# KiCad board nvme Carrier for LattePanda Mu.kicad_pcb (continued)
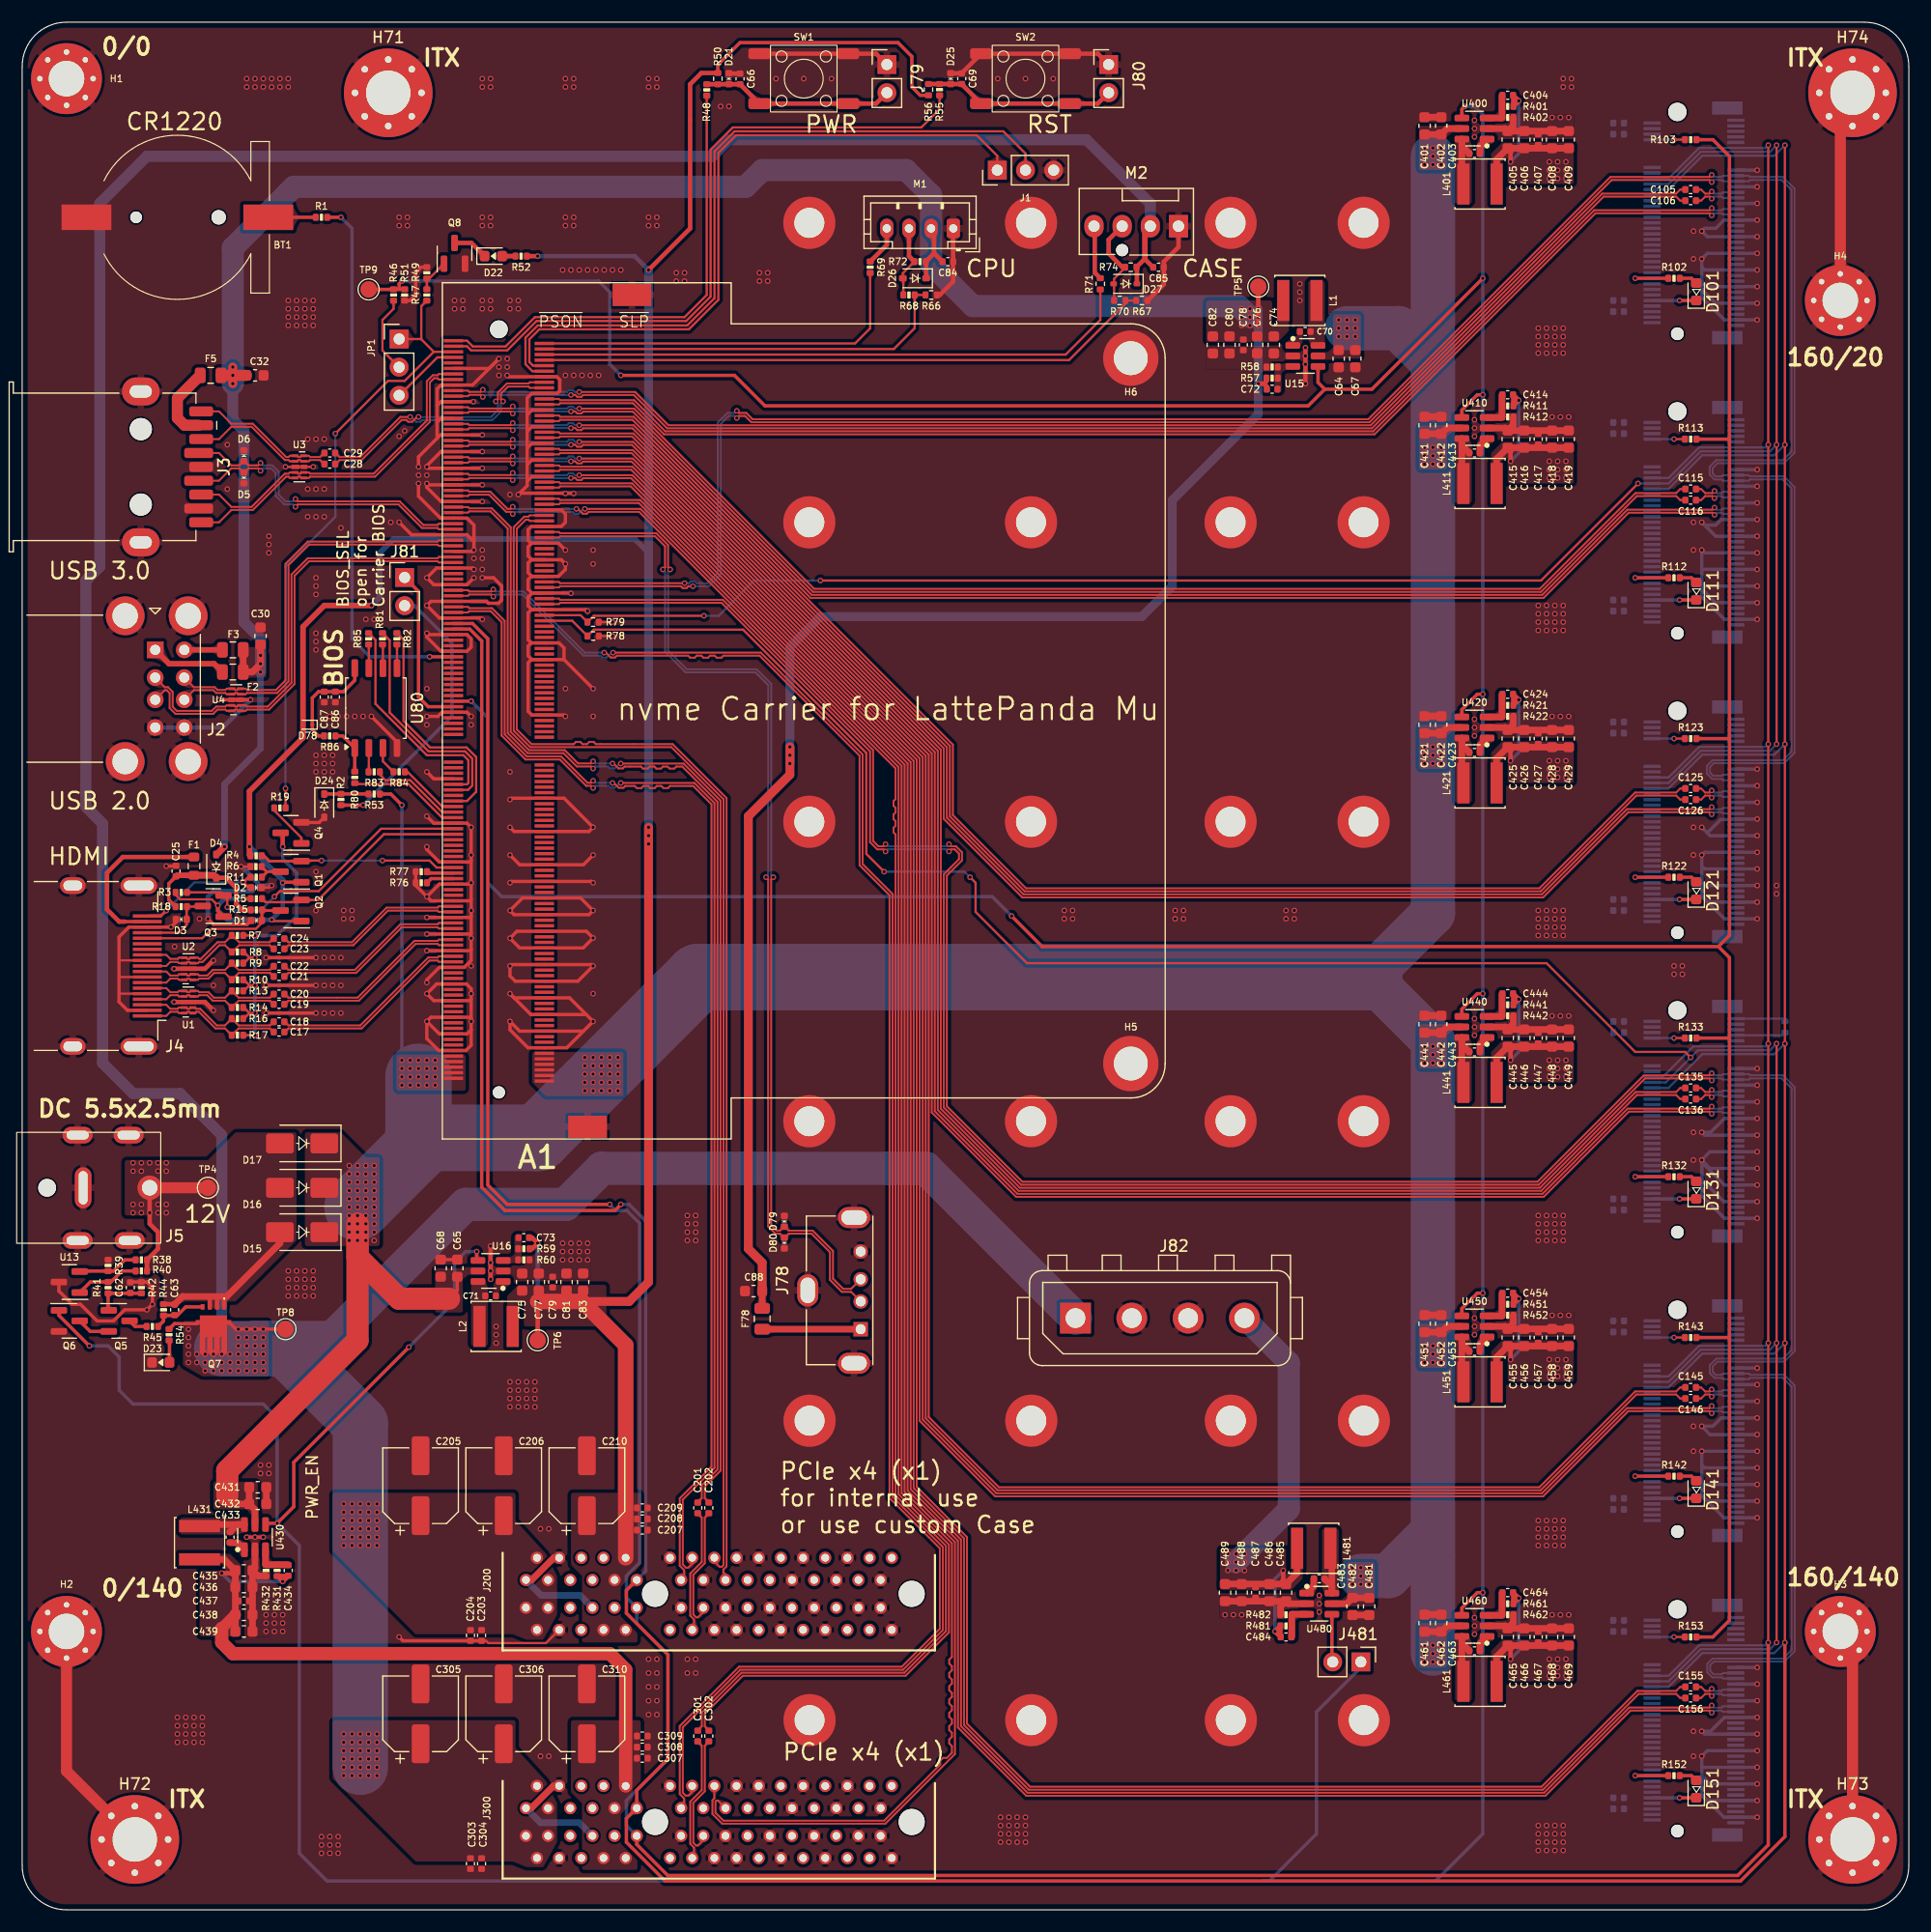
[diagram p0: board, top side]
## Routing (per net, layer and track width the routed paths; a pad name or vN(x,y) marks a point on that pad's centre or on a via; arc(x,y) is an arc through that point) (continued)
  Bottom w0.2: v1(157.5,24.1) 157.25,23.85 151.26,23.85 148.51,21.1 J150.54 ; J130.54 148,75.1 150.75,77.85 157.25,77.85 v1(157.5,78.1) ; J110.54 148.51,129.1 151.26,131.85 157.25,131.85 v1(157.5,132.1) ; v1(157.5,51.1) 157.25,50.85 151.26,50.85 148.51,48.1 J140.54 ; v1(157.5,105.1) 157.25,104.85 151.26,104.85 148.51,102.1 J120.54 ; J100.54 148.51,156.1 151.26,158.85 157.25,158.85 v1(157.5,159.1)
  Bottom w0.3: v1(53,63.6) 53.55,63.05 54.55,63.05 55.7,61.9 55.7,31.3 54.5,30.1 54.5,28.15 55.41,27.24 J200.B11 55.44,25.81 58.25,23 58.25,13.6 54.5,9.85 54.5,7.61 J300.B11
VDC: length 363.8
  Top w0.3: R53.1 33.25,100.6 v1(34.25,99.6) ; C65.2 39.25,55.85 38.5,55.1
  Top w0.6: U430.5 21,36.08 C432.2 ; C451.2 C452.2 128.52,52.6 U450.5 ; C411.2 C412.2 128.52,133.6 U410.5 ; 18.5,37.35 19.25,36.6 C432.2 ; U460.5 128.52,25.6 C462.2 C461.2 ; U420.5 128.52,106.6 C422.2 C421.2 ; C481.2 C482.2 119.47,27.6 U480.5 ; C441.2 C442.2 128.52,79.6 U440.5 ; C432.2 C431.2 ; C401.2 C402.2 128.52,160.6 U400.5
  Top w2: 38.5,55.1 34,55.1 30.25,58.85 v1(30.25,61.85) 30.25,51.35 18.5,39.6 18.5,37.35
  Bottom w0.3: v1(34.25,76.6) v1(34.25,99.6)
  Bottom w4: v1(127.25,23.1) v1(127.25,50.1) 127.25,78.35 121.5,84.1 127.25,89.85 v1(127.25,104.1) v1(127.25,131.1) v1(127.25,158.1) ; 127.25,34.1 123.25,30.1 v1(120.75,30.1) ; 127.25,139.5 124.15,142.6 v1(119.5,142.6)
  Bottom w6: 121.5,84.1 61,84.1 46.5,69.6 36.5,69.6 35.75,68.85 ; 35.75,68.85 v1(35.75,75.1) ; 35.75,68.85 v1(30.25,63.35)
  vias: v1(29.5,67.1) v1(29.5,66.35) v1(29.5,65.6) v1(29.5,64.85) v1(29.5,64.1) v1(29.5,63.35) v1(29.5,62.6) v1(29.5,61.85) v1(29.5,61.1) v1(29.5,60.35) v1(30.25,67.1) v1(30.25,66.35) v1(30.25,65.6) v1(30.25,64.85) v1(30.25,64.1) v1(30.25,62.6) v1(30.25,61.1) v1(30.25,60.35) v1(31,67.1) v1(31,66.35) v1(31,65.6) v1(31,64.85) v1(31,64.1) v1(31,63.35) v1(31,62.6) v1(31,61.85) v1(31,61.1) v1(31,60.35) v1(31.75,67.1) v1(31.75,66.35) v1(31.75,65.6) v1(31.75,64.85) v1(31.75,64.1) v1(31.75,63.35) v1(31.75,62.6) v1(31.75,61.85) v1(31.75,61.1) v1(31.75,60.35) v1(34.25,75.85) v1(34.25,75.1) v1(34.25,74.35) v1(35,76.6) v1(35,75.85) v1(35,75.1) v1(35,74.35) v1(35.75,76.6) v1(35.75,75.85) v1(35.75,74.35) v1(36.5,76.6) v1(36.5,75.85) v1(36.5,75.1) v1(36.5,74.35) v1(37.25,76.6) v1(37.25,75.85) v1(37.25,75.1) v1(37.25,74.35) v1(50.75,76.85) v1(50.75,76.1) v1(50.75,75.35) v1(50.75,74.6) v1(50.75,73.85) v1(51.5,76.85) v1(51.5,76.1) v1(51.5,75.35) v1(51.5,74.6) v1(51.5,73.85) v1(52.25,76.85) v1(52.25,76.1) v1(52.25,75.35) v1(52.25,74.6) v1(52.25,73.85) v1(53,76.85) v1(53,76.1) v1(53,75.35) v1(53,74.6) v1(53,73.85) v1(53.75,76.85) v1(53.75,76.1) v1(53.75,75.35) v1(53.75,74.6) v1(53.75,73.85) v1(118.75,143.35) v1(118.75,142.6) v1(118.75,141.85) v1(119.5,143.35) v1(119.5,141.85) v1(120,30.85) v1(120,30.1) v1(120,29.35) v1(120.25,143.35) v1(120.25,142.6) v1(120.25,141.85) v1(120.75,30.85) v1(120.75,29.35) v1(121.5,30.85) v1(121.5,30.1) v1(121.5,29.35) v1(126.5,158.85) v1(126.5,158.1) v1(126.5,157.35) v1(126.5,131.85) v1(126.5,131.1) v1(126.5,130.35) v1(126.5,104.85) v1(126.5,104.1) v1(126.5,103.35) v1(126.5,77.85) v1(126.5,77.1) v1(126.5,76.35) v1(126.5,50.85) v1(126.5,50.1) v1(126.5,49.35) v1(126.5,23.85) v1(126.5,23.1) v1(126.5,22.35) v1(127.25,158.85) v1(127.25,157.35) v1(127.25,131.85) v1(127.25,130.35) v1(127.25,104.85) v1(127.25,103.35) v1(127.25,77.85) v1(127.25,77.1) v1(127.25,76.35) v1(127.25,50.85) v1(127.25,49.35) v1(127.25,23.85) v1(127.25,22.35) v1(128,158.85) v1(128,158.1) v1(128,157.35) v1(128,131.85) v1(128,131.1) v1(128,130.35) v1(128,104.85) v1(128,104.1) v1(128,103.35) v1(128,77.85) v1(128,77.1) v1(128,76.35) v1(128,50.85) v1(128,50.1) v1(128,49.35) v1(128,23.85) v1(128,23.1) v1(128,22.35)
VPullup: length 4
  Top w0.3: R53.2 31.23,100.61 27.26,100.61 D24.1
Net-(A1-SIO_UART_RX): length 67.2
  Top w0.2: A1.12 46.02,138.73 45.4,139.35 45.4,141.74 46.51,142.85 59.99,142.85 62.45,145.31 62.45,158.55 64.25,160.35 88.5,160.35 90.5,158.35 J1.2
Net-(A1-SIO_UART_TX): length 63.2
  Top w0.2: A1.10 46.07,139.23 45.75,139.55 45.75,141.6 46.65,142.5 60.13,142.5 62.8,145.16 62.8,158.4 64.39,160 86.1,160 87.96,158.14 J1.1
Net-(A1-SPI_CLK): length 20.9
  Top w0.2: R81.1 33.15,114.46 33.15,107.95 36.65,104.45 39.94,104.45 40.6,103.79 40.6,101.36 40.21,100.98 A1.155
Net-(A1-SPI_IO2): length 5.7
  Top w0.2: A1.161 37.88,99.48 34.76,102.6 R84.1
Net-(A1-SPI_IO3): length 20.6
  Top w0.2: A1.153 40.12,101.48 40.25,101.6 40.25,103.65 39.8,104.1 36.5,104.1 31.87,108.73 31.87,114.49 R85.1
Net-(A1-SPI_MISO/SPI_IO1): length 8
  Top w0.2: A1.163 37.87,98.98 35,101.85 32.76,101.85 32.26,102.35
Net-(A1-SPI_MOSI/SPI_IO0): length 21.6
  Top w0.2: A1.159 40.12,99.98 40.95,100.8 40.95,103.94 40.09,104.8 36.8,104.8 34.4,107.2 34.4,114.51 R82.1
Net-(A1-TCP0_HPD): length 2.5
  Top w0.3: R76.1 36.88,92.98 A1.187
Net-(A1-TCP1_HPD): length 2.4
  Top w0.3: R77.1 36.63,93.48 A1.185
Net-(A1-~{BIOS_SEL}): length 14.8
  Top w0.3: J81.1 35.75,118.88 35.75,109.35 36.62,108.48 A1.133
Net-(A1-~{SPI_CS}): length 10.2
  Top w0.2: R80.1 30.09,101.5 34.85,101.5 37.87,98.48 A1.165
Net-(BT1-+): length 4.3
  Top w0.3: R1.2 BT1.1
Net-(D21-A2): length 17.4
  Top w0.4: J79.2 77.01,162.85 SW1.1 SW1.1 C66.1 R48.1
Net-(D22-A): length 1.5
  Top w0.4: R52.1 D22.2 43.04,149.1
Net-(D22-K): length 3.2
  Top w0.4: Q8.3 40.52,150.29 D22.1
Net-(D23-A): length 2
  Top w0.3: R54.2 13.29,51.3 D23.2
Net-(D25-A2): length 17.4
  Top w0.4: J80.2 97.01,162.85 SW2.1 SW2.1 84.75,164.6 84.75,164.62 R56.1
Net-(D26-A): length 6.7
  Top w0.2: R68.1 79.48,147.06 D26.2 79.44,147.56 R72.2
  Top w0.4: R72.2 79.99,149.09 M1.3
Net-(D27-A): length 8.3
  Top w0.2: 99.49,148.06 98.49,147.06 R70.2
  Top w0.4: M2.3 98,150.58 98,149.34 99.24,148.1 R74.2
Net-(D78-K): length 9.8
  Top w0.3: U80.8 30,110.85 28.98,109.83 C86.1 C87.1 26.73,109.83 26.17,109.27 D78.1 26.17,106.39 26.72,105.84 R86.1
Net-(D101-A): length 1.7
  Top w0.3: R102.1 150.57,147.1 D101.2
Net-(D101-K): length 4
  Top w0.3: D101.1 v1(149.5,145.1)
  Bottom w0.3: J100.10 v1(149.5,145.1)
Net-(D111-A): length 1.7
  Top w0.3: R112.1 150.57,120.1 D111.2
Net-(D111-K): length 4
  Top w0.3: v1(149.5,118.1) D111.1
  Bottom w0.3: J110.10 v1(149.5,118.1)
Net-(D121-A): length 1.7
  Top w0.3: D121.2 150.57,93.1 R122.1
Net-(D121-K): length 4
  Top w0.3: v1(149.5,91.1) D121.1
  Bottom w0.3: J120.10 v1(149.5,91.1)
Net-(D131-A): length 1.7
  Top w0.3: R132.1 150.57,66.1 D131.2
Net-(D131-K): length 4
  Top w0.3: v1(149.5,64.1) 151,64.1
  Bottom w0.3: J130.10 v1(149.5,64.1)
Net-(D141-A): length 1.7
  Top w0.3: R142.1 150.57,39.1 D141.2
Net-(D141-K): length 4
  Top w0.3: v1(149.5,37.1) 151,37.1
  Bottom w0.3: J140.10 v1(149.5,37.1)
Net-(D151-A): length 1.7
  Top w0.3: D151.2 150.57,12.1 R152.1
Net-(D151-K): length 4
  Top w0.3: v1(149.5,10.1) 151,10.1
  Bottom w0.3: J150.10 v1(149.5,10.1)
Net-(J2-VBUS1): length 6.9
  Top w0.5: F2.2 17.31,112.35 13.25,112.35 J2.1
Net-(J2-VBUS2): length 3.4
  Top w0.5: J2.5 F3.2
Net-(J3-VBUS): length 6.9
  Top w1: J3.1 14.64,133.85 14,134.49 14,136.29 F5.2
Net-(J4-+5V): length 15.8
  Top w0.3: 9.25,89.1 J4.18
  Top w0.4: 9.25,89.1 8.75,89.1 7.65,90.2 7.65,93.5 9.07,94.93 F1.2
Net-(J78-VBUS): length 8.9
  Top w0.6: F78.2 J78.1
Net-(J81-Pin_2): length 25.6
  Top w0.3: v1(30.75,99.6) R2.1
  Bottom w0.3: v1(30.75,99.6) 38.75,107.6 38.75,114.23 35.39,117.59 J81.2
Net-(J100-SUSCLK): length 3
  Top w0.2: R103.1 v1(149,159.6)
  Bottom w0.2: J100.68 v1(149,159.6)
Net-(J110-SUSCLK): length 3
  Top w0.2: R113.1 v1(149,132.6)
  Bottom w0.2: J110.68 v1(149,132.6)
Net-(J120-SUSCLK): length 3
  Top w0.2: R123.1 v1(149,105.6)
  Bottom w0.2: J120.68 v1(149,105.6)
Net-(J130-PEDET): length 4.5
  Bottom w0.2: R134.1 158.76,78.85 J130.69
Net-(J130-SUSCLK): length 3
  Top w0.2: R133.1 v1(149,78.6)
  Bottom w0.2: J130.68 v1(149,78.6)
Net-(J140-SUSCLK): length 3
  Top w0.2: R143.1 v1(149,51.6)
  Bottom w0.2: J140.68 v1(149,51.6)
Net-(J150-SUSCLK): length 3
  Top w0.2: R153.1 v1(149,24.6)
  Bottom w0.2: J150.68 v1(149,24.6)
Net-(J481-Pin_2): length 4.3
  Top w0.3: U480.4 118.14,22.42 J481.2
Net-(JP1-C): length 7
  Top w0.2: R46.1 33.5,144.35 32.5,143.35 32.5,140.59 JP1.2
Net-(M1-PWM): length 3.6
  Top w0.4: M1.4 77.99,150.11 R69.2
Net-(M2-PWM): length 4.9
  Top w0.4: M2.4 96.75,151.73 96.75,147.61 R71.2
Net-(Q1-D): length 2.6
  Top w0.25: Q1.3 22.06,93.6 ; 22.06,93.6 22.06,93.55 R11.1 ; 22.06,93.6 R6.1
Net-(Q4-D): length 29.7
  Top w0.205: R14.2 19.99,81.36 20.5,80.85 ; 20.5,85.86 21,85.86 v1(21,85.86) ; 20.5,85.86 20,85.36 ; 20.5,85.86 20,86.36 R8.2 ; v1(21,87.86) R7.2 ; 20,83.86 20.5,83.36 ; 20.5,83.36 20,82.86 R13.2 ; 20.5,83.36 20.99,83.36 v1(21,83.35) ; v1(21,78.85) 20.99,78.86 R17.2 ; 20.5,80.85 20.01,80.36 R16.2 ; 20.5,80.85 20.99,80.85 v1(21,80.86)
  Top w0.4: v1(23.5,95.85) 23.5,96.91 Q4.3
  Bottom w0.3: v1(21,78.85) v1(21,80.86) v1(21,83.35) v1(21,85.86) v1(21,87.86) 21.01,87.85 23,87.85 24.75,89.6 24.75,93.5 23.5,94.75 v1(23.5,95.85)
Net-(Q4-G): length 4.2
  Top w0.2: Q4.1 25.19,96.66 22.74,99.11 R19.2
Net-(Q5-D): length 1.8
  Top w0.3: 11.24,52.6 10.19,52.6 Q5.3
Net-(Q5-G): length 4.6
  Top w0.3: R42.2 R41.1 7.75,54.11 7.81,54.05
Net-(Q5-S): length 3
  Top w0.3: Q6.3 6.14,52.15 7.81,52.15
Net-(Q7-G): length 5
  Top w0.3: 16.27,54.36 14.76,54.36 14.02,53.62 C63.1 13.72,53.59 R44.1 12.75,53.09 12.26,52.6
Net-(Q8-G): length 3.1
  Top w0.2: R47.2 R49.2 36.73,147.09 Q8.1
Net-(U13-K): length 5.9
  Top w0.3: R40.1 9,57.6 8.01,56.61 6.15,56.61 U13.1
Net-(U13-REF): length 5.5
  Top w0.3: 5.19,57.55 5.23,57.59 R39.2 8.24,57.59 9.25,58.6 R38.1
Net-(U80-CLK): length 2.2
  Top w0.2: R81.2 32.54,114.05 U80.6 32.5,111.99
Net-(U80-DI(IO0)): length 2.2
  Top w0.2: 33.8,111.96 U80.5 33.81,114.08 R82.2
Net-(U80-DO(IO1)): length 2.4
  Top w0.2: 31.24,102.35 31.27,102.38 U80.2
Net-(U80-IO2): length 2.5
  Top w0.2: U80.3 32.54,103.55 R84.2
Net-(U80-IO3): length 2.2
  Top w0.2: 31.25,111.97 U80.7 31.27,114.07 R85.2
Net-(U80-~{CS}): length 4.3
  Top w0.3: R80.2 U80.1 28.91,105.84 R86.2
Net-(U400-BOOST): length 1.6
  Top w0.6: U400.1 131.5,159.01 131.5,158.35
Net-(U400-FB): length 3.3
  Top w0.6: 133.48,163.54 133.48,161.6 133.43,161.55 U400.3
Net-(U400-SW): length 5.5
  Top w0.6: 129.86,155.71 U400.6 129.86,159.03 130.54,158.35
Net-(U410-BOOST): length 1.6
  Top w0.6: U410.1 131.5,132.01 131.5,131.35
Net-(U410-FB): length 3.3
  Top w0.6: 133.48,136.54 133.48,134.6 133.43,134.55 U410.3
Net-(U410-SW): length 5.5
  Top w0.6: 129.86,128.71 U410.6 129.86,132.03 130.54,131.35
Net-(U420-BOOST): length 1.6
  Top w0.6: 131.5,104.35 131.5,105.01 U420.1
Net-(U420-FB): length 3.3
  Top w0.6: U420.3 133.43,107.55 133.48,107.6 133.48,109.54
Net-(U420-SW): length 5.5
  Top w0.6: 129.86,101.71 U420.6 129.86,105.03 130.54,104.35
Net-(U430-BOOST): length 1.6
  Top w0.6: 18.75,33.1 19.41,33.1 U430.1
Net-(U430-FB): length 3.3
  Top w0.6: U430.3 21.95,31.17 22,31.12 23.94,31.12
Net-(U430-SW): length 5.5
  Top w0.6: 16.11,34.74 U430.6 19.43,34.74 18.75,34.06
Net-(U440-BOOST): length 1.6
  Top w0.6: U440.1 131.5,78.01 131.5,77.35
Net-(U440-FB): length 3.3
  Top w0.6: 132.14,80.55 133.43,80.55 133.48,80.6 133.48,82.54
Net-(U440-SW): length 5.5
  Top w0.6: 129.86,74.71 U440.6 129.86,78.03 130.54,77.35
Net-(U450-BOOST): length 1.6
  Top w0.6: U450.1 131.5,51.01 131.5,50.35
Net-(U450-FB): length 3.3
  Top w0.6: 132.14,53.55 133.43,53.55 133.48,53.6 133.48,55.54
Net-(U450-SW): length 5.5
  Top w0.6: 130.54,50.35 129.86,51.03 U450.6 129.86,47.71
Net-(U460-BOOST): length 1.6
  Top w0.6: 131.5,23.35 131.5,24.01 U460.1
Net-(U460-FB): length 3.3
  Top w0.6: 132.14,26.55 133.43,26.55 133.48,26.6 133.48,28.54
Net-(U460-SW): length 5.5
  Top w0.6: 129.86,20.71 U460.6 129.86,24.03 130.54,23.35
Net-(U480-BOOST): length 1.6
  Top w0.6: 116.5,29.85 116.5,29.19 115.86,28.55
Net-(U480-FB): length 3.3
  Top w0.6: 114.52,24.66 114.52,26.6 114.57,26.65 U480.3
Net-(U480-SW): length 5.5
  Top w0.6: 117.46,29.85 118.14,29.17 118.14,28.55 118.14,32.49

## Copper pours and planes (outline as drawn; the poured copper is in the pictures)
+3V3 on Top: 49.5,37.6 55.8,37.6 55.8,31.1 54,29.1 54,26.45 55.5,24.95 55.5,24.1 50.5,24.1 50.5,30.1 49.5,31.1
+3V3 on Top: 43.75,51.1 44.65,51.1 44.65,54.6 45.25,54.93 45.25,52.6 52.7,52.6 52.7,56.35 44.75,56.35 43.75,55.35
+3V3a on Top: 132.5,154.1 133.4,154.1 133.4,157.6 134,157.93 134,155.6 139.95,155.6 139.95,159.35 133.5,159.35 132.5,158.35
+3V3a on Bottom: 137.25,158.1 142,158.1 144.1,159.1 144.1,161.6 147.5,161.6 147.5,159.95 146,159.95 145.5,159.45 145.5,147.75 146,147.25 147.5,147.25 147.5,145.45 145.5,145.45 145.5,143.75 147.5,143.75 147.5,142.8 144.1,142.8 144.1,145.6 143.5,146.1 143.5,154.1 142,155.6 137.25,155.6
+3V3aa on Top: 132.5,73.1 133.4,73.1 133.4,76.6 134,76.93 134,74.6 139.95,74.6 139.95,78.35 133.5,78.35 132.5,77.35
+3V3aa on Bottom: 137.25,77.1 142,77.1 144.1,78.1 144.1,80.6 147.5,80.6 147.5,78.95 146,78.95 145.5,78.45 145.5,66.75 146,66.25 147.5,66.25 147.5,64.45 145.5,64.45 145.5,62.75 147.5,62.75 147.5,61.8 144.1,61.8 144.1,64.6 143.5,65.1 143.5,73.1 142,74.6 137.25,74.6
+3V3b on Top: 132.5,127.1 133.4,127.1 133.4,130.6 134,130.93 134,128.6 139.95,128.6 139.95,132.35 133.5,132.35 132.5,131.35
+3V3b on Bottom: 137.25,131.1 142,131.1 144.1,132.1 144.1,134.6 147.5,134.6 147.5,132.95 146,132.95 145.5,132.45 145.5,120.75 146,120.25 147.5,120.25 147.5,118.45 145.5,118.45 145.5,116.75 147.5,116.75 147.5,115.8 144.1,115.8 144.1,118.6 143.5,119.1 143.5,127.1 142,128.6 137.25,128.6
+3V3bb on Top: 132.5,46.1 133.4,46.1 133.4,49.6 134,49.93 134,47.6 139.95,47.6 139.95,51.35 133.5,51.35 132.5,50.35
+3V3bb on Bottom: 137.25,50.1 142,50.1 144.1,51.1 144.1,53.6 147.5,53.6 147.5,51.95 146,51.95 145.5,51.45 145.5,39.75 146,39.25 147.5,39.25 147.5,37.45 145.5,37.45 145.5,35.75 147.5,35.75 147.5,34.8 144.1,34.8 144.1,37.6 143.5,38.1 143.5,46.1 142,47.6 137.25,47.6
+3V3c on Top: 132.5,100.1 133.4,100.1 133.4,103.6 134,103.93 134,101.6 139.95,101.6 139.95,105.35 133.5,105.35 132.5,104.35
+3V3c on Bottom: 137.25,104.1 142,104.1 144.1,105.1 144.1,107.6 147.5,107.6 147.5,105.95 146,105.95 145.5,105.45 145.5,93.75 146,93.25 147.5,93.25 147.5,91.45 145.5,91.45 145.5,89.75 147.5,89.75 147.5,88.8 144.1,88.8 144.1,91.6 143.5,92.1 143.5,100.1 142,101.6 137.25,101.6
+3V3cc on Top: 132.5,19.1 133.4,19.1 133.4,22.6 134,22.93 134,20.6 139.95,20.6 139.95,24.35 133.5,24.35 132.5,23.35
+3V3cc on Bottom: 137.25,23.1 142,23.1 144.1,24.1 144.1,26.6 147.5,26.6 147.5,24.95 146,24.95 145.5,24.45 145.5,12.75 146,12.25 147.5,12.25 147.5,10.45 145.5,10.45 145.5,8.75 147.5,8.75 147.5,7.8 144.1,7.8 144.1,10.6 143.5,11.1 143.5,19.1 142,20.6 137.25,20.6
+3V3d on Top: 49.5,17.1 55.8,17.1 55.8,10.6 54,8.6 54,5.95 55.5,4.45 55.5,3.6 50.5,3.6 50.5,9.6 49.5,10.6
+3V3d on Top: 14.5,32.1 14.5,31.2 18,31.2 18.32,30.6 16,30.6 16,24.65 19.75,24.65 19.75,31.1 18.75,32.1
+5V on Top: 114.25,146.6 113.35,146.6 113.35,143.1 112.75,142.78 112.75,145.1 106.8,145.1 106.8,141.35 113.25,141.35 114.25,142.35
+5V on Top: 19.88,113.85 19.88,111.1 22,111.1 22,113.1 21.75,113.85
+5V on Bottom: 112,144.85 112,142.37 109.5,142.37 109.5,144.85
+5Va on Top: 115.5,34.1 114.6,34.1 114.6,30.6 114,30.28 114,32.6 108.05,32.6 108.05,28.85 114.5,28.85 115.5,29.85
+12V on Top: 9.25,67.6 9.25,62.6 11.5,62.6 11.5,61.85 12.25,61.1 12.25,59.6 11.26,58.6 11.26,57.6 12.25,57.6 12.75,57.1 12.75,54.61 14,54.6 14.75,54.85 16.75,54.85 16.75,54.2 18.4,54.2 18.4,54.85 19.25,54.85 24.75,60.35 24.75,70.1 19.25,70.1 16.75,67.6
+12V on Bottom: 9.25,62.6 9.25,67.6 13.75,67.6 13.75,62.6
+12VA on Top, Bottom: 44.5,37.6 44.5,35.1 47.25,32.1 48.25,30.1 48.25,26.6 47,24.35 45.5,24.35 44.25,24.85 35.5,24.85 28,32.35 28,37.6
+12VA on Top, Bottom: 14.5,49.1 14.5,53.1 22.25,53.1 22.25,48.1 16.25,48.1
+12VA on Top, Bottom: 44.5,17.1 44.5,14.6 47.25,11.6 48.25,9.6 48.25,6.1 47,3.85 45.5,3.85 44.25,4.35 35.5,4.35 28,11.85 28,17.1
GND on Top: 131.5,52.95 132.8,52.95 133,53.1 134,53.1 134.25,53.25 134.25,53.85 140,53.85 140,51.85 133.5,51.85 133,52.25 131.5,52.25
GND on Top: 131.5,106.95 132.8,106.95 133,107.1 134,107.1 134.25,107.25 134.25,107.85 140,107.85 140,105.85 133.5,105.85 133,106.25 131.5,106.25
GND on Top: 21.35,33.1 21.35,31.8 21.5,31.6 21.5,30.6 21.65,30.35 22.25,30.35 22.25,24.6 20.25,24.6 20.25,31.1 20.65,31.6 20.65,33.1
GND on Top: 116.5,27.25 115.2,27.25 115,27.1 114,27.1 113.75,26.95 113.75,26.35 108,26.35 108,28.35 114.5,28.35 115,27.95 116.5,27.95
GND on Top: 115.25,139.75 113.95,139.75 113.75,139.6 112.75,139.6 112.5,139.45 112.5,138.85 106.75,138.85 106.75,140.85 113.25,140.85 113.75,140.45 115.25,140.45
GND on Top: 131.5,160.95 132.8,160.95 133,161.1 134,161.1 134.25,161.25 134.25,161.85 140,161.85 140,159.85 133.5,159.85 133,160.25 131.5,160.25
GND on Top: 131.5,133.95 132.8,133.95 133,134.1 134,134.1 134.25,134.25 134.25,134.85 140,134.85 140,132.85 133.5,132.85 133,133.25 131.5,133.25
GND on Top: 131.5,25.95 132.8,25.95 133,26.1 134,26.1 134.25,26.25 134.25,26.85 140,26.85 140,24.85 133.5,24.85 133,25.25 131.5,25.25
GND on Top: 42.75,57.95 44.05,57.95 44.25,58.1 45.25,58.1 45.5,58.25 45.5,58.85 51.25,58.85 51.25,56.85 44.75,56.85 44.25,57.25 42.75,57.25
GND on Top: 131.5,79.95 132.8,79.95 133,80.1 134,80.1 134.25,80.25 134.25,80.85 140,80.85 140,78.85 133.5,78.85 133,79.25 131.5,79.25
GND on Top, Bottom: 0,0 170.18,0 170.18,170.18 0,170.18
VDC on Top: 33.75,77.1 33.75,73.85 40,73.85 40,77.1
VDC on Top: 46,77.35 46,74.6 47.25,73.35 54.25,73.35 54.25,77.35
VDC on Top: 128.5,51.85 129,52.25 130.5,52.25 130.5,52.95 128.75,52.95 128.25,52.85 126,52.85 126,48.85 128.5,48.85
VDC on Top: 128.5,132.85 129,133.25 130.5,133.25 130.5,133.95 128.75,133.95 128.25,133.85 126,133.85 126,129.85 128.5,129.85
VDC on Top: 118.25,140.85 117.75,140.45 116.25,140.45 116.25,139.75 118,139.75 118.5,139.85 120.75,139.85 120.75,143.85 118.25,143.85
VDC on Top: 39.75,56.85 40.25,57.25 41.75,57.25 41.75,57.95 40,57.95 39.5,57.85 37.25,57.85 37.25,53.85 39.75,53.85
VDC on Top: 128.5,24.85 129,25.25 130.5,25.25 130.5,25.95 128.75,25.95 128.25,25.85 126,25.85 126,21.85 128.5,21.85
VDC on Top: 128.5,159.85 129,160.25 130.5,160.25 130.5,160.95 128.75,160.95 128.25,160.85 126,160.85 126,156.85 128.5,156.85
VDC on Top: 128.5,78.85 129,79.25 130.5,79.25 130.5,79.95 128.75,79.95 128.25,79.85 126,79.85 126,75.85 128.5,75.85
VDC on Top: 119.5,28.35 119,27.95 117.5,27.95 117.5,27.25 119.25,27.25 119.75,27.35 122,27.35 122,31.35 119.5,31.35
VDC on Top: 128.5,105.85 129,106.25 130.5,106.25 130.5,106.95 128.75,106.95 128.25,106.85 126,106.85 126,102.85 128.5,102.85
VDC on Top: 20.25,36.1 20.65,35.6 20.65,34.1 21.35,34.1 21.35,35.85 21.25,36.35 21.25,38.6 17.25,38.6 17.25,36.1
VDC on Top, Bottom: 25.5,70.1 28.75,70.1 31,67.85 32.25,67.85 32.25,59.85 25.5,59.85
Net-(U15-BOOST) on Top: 115.25,140.85 114,140.85 114,141.35 115,141.95 115,142.6 115.5,142.6 115.5,141.35
Net-(U15-FB) on Top: 115.25,139.45 115.25,138.85 114,138.85 113.6,138.6 113.6,136.85 112.95,136.85 112.95,139.45
Net-(U15-SW) on Top: 117.5,146.85 116,146.85 116,141.6 116.25,140.85 117.5,140.85
Net-(U16-BOOST) on Top: 42.75,56.85 44,56.85 44,56.35 43,55.75 43,55.1 42.5,55.1 42.5,56.35
Net-(U16-FB) on Top: 42.75,58.25 42.75,58.85 44,58.85 44.4,59.1 44.4,60.85 45.05,60.85 45.05,58.25
Net-(U16-SW) on Top: 40.5,50.85 42,50.85 42,56.1 41.75,56.85 40.5,56.85
Net-(U400-BOOST) on Top: 131.5,159.85 132.75,159.85 132.75,159.35 131.75,158.75 131.75,158.1 131.25,158.1 131.25,159.35
Net-(U400-FB) on Top: 131.5,161.25 131.5,161.85 132.75,161.85 133.15,162.1 133.15,163.85 133.8,163.85 133.8,161.25
Net-(U400-SW) on Top: 129.25,153.85 130.75,153.85 130.75,159.1 130.5,159.85 129.25,159.85
Net-(U410-BOOST) on Top: 131.5,132.85 132.75,132.85 132.75,132.35 131.75,131.75 131.75,131.1 131.25,131.1 131.25,132.35
Net-(U410-FB) on Top: 131.5,134.25 131.5,134.85 132.75,134.85 133.15,135.1 133.15,136.85 133.8,136.85 133.8,134.25
Net-(U410-SW) on Top: 129.25,126.85 130.75,126.85 130.75,132.1 130.5,132.85 129.25,132.85
Net-(U420-BOOST) on Top: 131.5,105.85 132.75,105.85 132.75,105.35 131.75,104.75 131.75,104.1 131.25,104.1 131.25,105.35
Net-(U420-FB) on Top: 131.5,107.25 131.5,107.85 132.75,107.85 133.15,108.1 133.15,109.85 133.8,109.85 133.8,107.25
Net-(U420-SW) on Top: 129.25,99.85 130.75,99.85 130.75,105.1 130.5,105.85 129.25,105.85
Net-(U430-BOOST) on Top: 20.25,33.1 20.25,31.85 19.75,31.85 19.15,32.85 18.5,32.85 18.5,33.35 19.75,33.35
Net-(U430-FB) on Top: 21.65,33.1 22.25,33.1 22.25,31.85 22.5,31.45 24.25,31.45 24.25,30.8 21.65,30.8
Net-(U430-SW) on Top: 14.25,35.35 14.25,33.85 19.5,33.85 20.25,34.1 20.25,35.35
Net-(U440-BOOST) on Top: 131.5,78.85 132.75,78.85 132.75,78.35 131.75,77.75 131.75,77.1 131.25,77.1 131.25,78.35
Net-(U440-FB) on Top: 131.5,80.25 131.5,80.85 132.75,80.85 133.15,81.1 133.15,82.85 133.8,82.85 133.8,80.25
Net-(U440-SW) on Top: 129.25,72.85 130.75,72.85 130.75,78.1 130.5,78.85 129.25,78.85
Net-(U450-BOOST) on Top: 131.5,51.85 132.75,51.85 132.75,51.35 131.75,50.75 131.75,50.1 131.25,50.1 131.25,51.35
Net-(U450-FB) on Top: 131.5,53.25 131.5,53.85 132.75,53.85 133.15,54.1 133.15,55.85 133.8,55.85 133.8,53.25
Net-(U450-SW) on Top: 129.25,45.85 130.75,45.85 130.75,51.1 130.5,51.85 129.25,51.85
Net-(U460-BOOST) on Top: 131.5,24.85 132.75,24.85 132.75,24.35 131.75,23.75 131.75,23.1 131.25,23.1 131.25,24.35
Net-(U460-FB) on Top: 131.5,26.25 131.5,26.85 132.75,26.85 133.15,27.1 133.15,28.85 133.8,28.85 133.8,26.25
Net-(U460-SW) on Top: 129.25,18.85 130.75,18.85 130.75,24.1 130.5,24.85 129.25,24.85
Net-(U480-BOOST) on Top: 116.5,28.35 115.25,28.35 115.25,28.85 116.25,29.45 116.25,30.1 116.75,30.1 116.75,28.85
Net-(U480-FB) on Top: 116.5,26.95 116.5,26.35 115.25,26.35 114.85,26.1 114.85,24.35 114.2,24.35 114.2,26.95
Net-(U480-SW) on Top: 118.75,34.35 117.25,34.35 117.25,29.1 117.5,28.35 118.75,28.35

Small or netless copper shapes (teardrops, artwork), in the pictures only: 596 on Top, 95 on Bottom

## Text on the board
F.Silkscreen: ~{PSON} | ~{SLP} | PWR_EN | BIOS_SEL / open for / Carrier BIOS | USB 3.0 | USB 2.0 | HDMI | CR1220 | 12V | PCIe x4 (x1) / for internal use / or use custom Case | PCIe x4 (x1) | PWR | CPU | RST | CASE | DC 5.5x2.5mm | 0/0 | 0/140 | ITX | 160/20 | 160/140 | BIOS | nvme Carrier for LattePanda Mu
